# Altium PCB ProbadorDeCables.PcbDoc
Units mil, origin at the board's own origin, x right, y up, seen from the top; angles counter-clockwise.
Board outline 6100 x 5500 mil, 2 copper layers (Top Layer, Bottom Layer); 81 components, 36 nets, 313 pads, 173 vias.
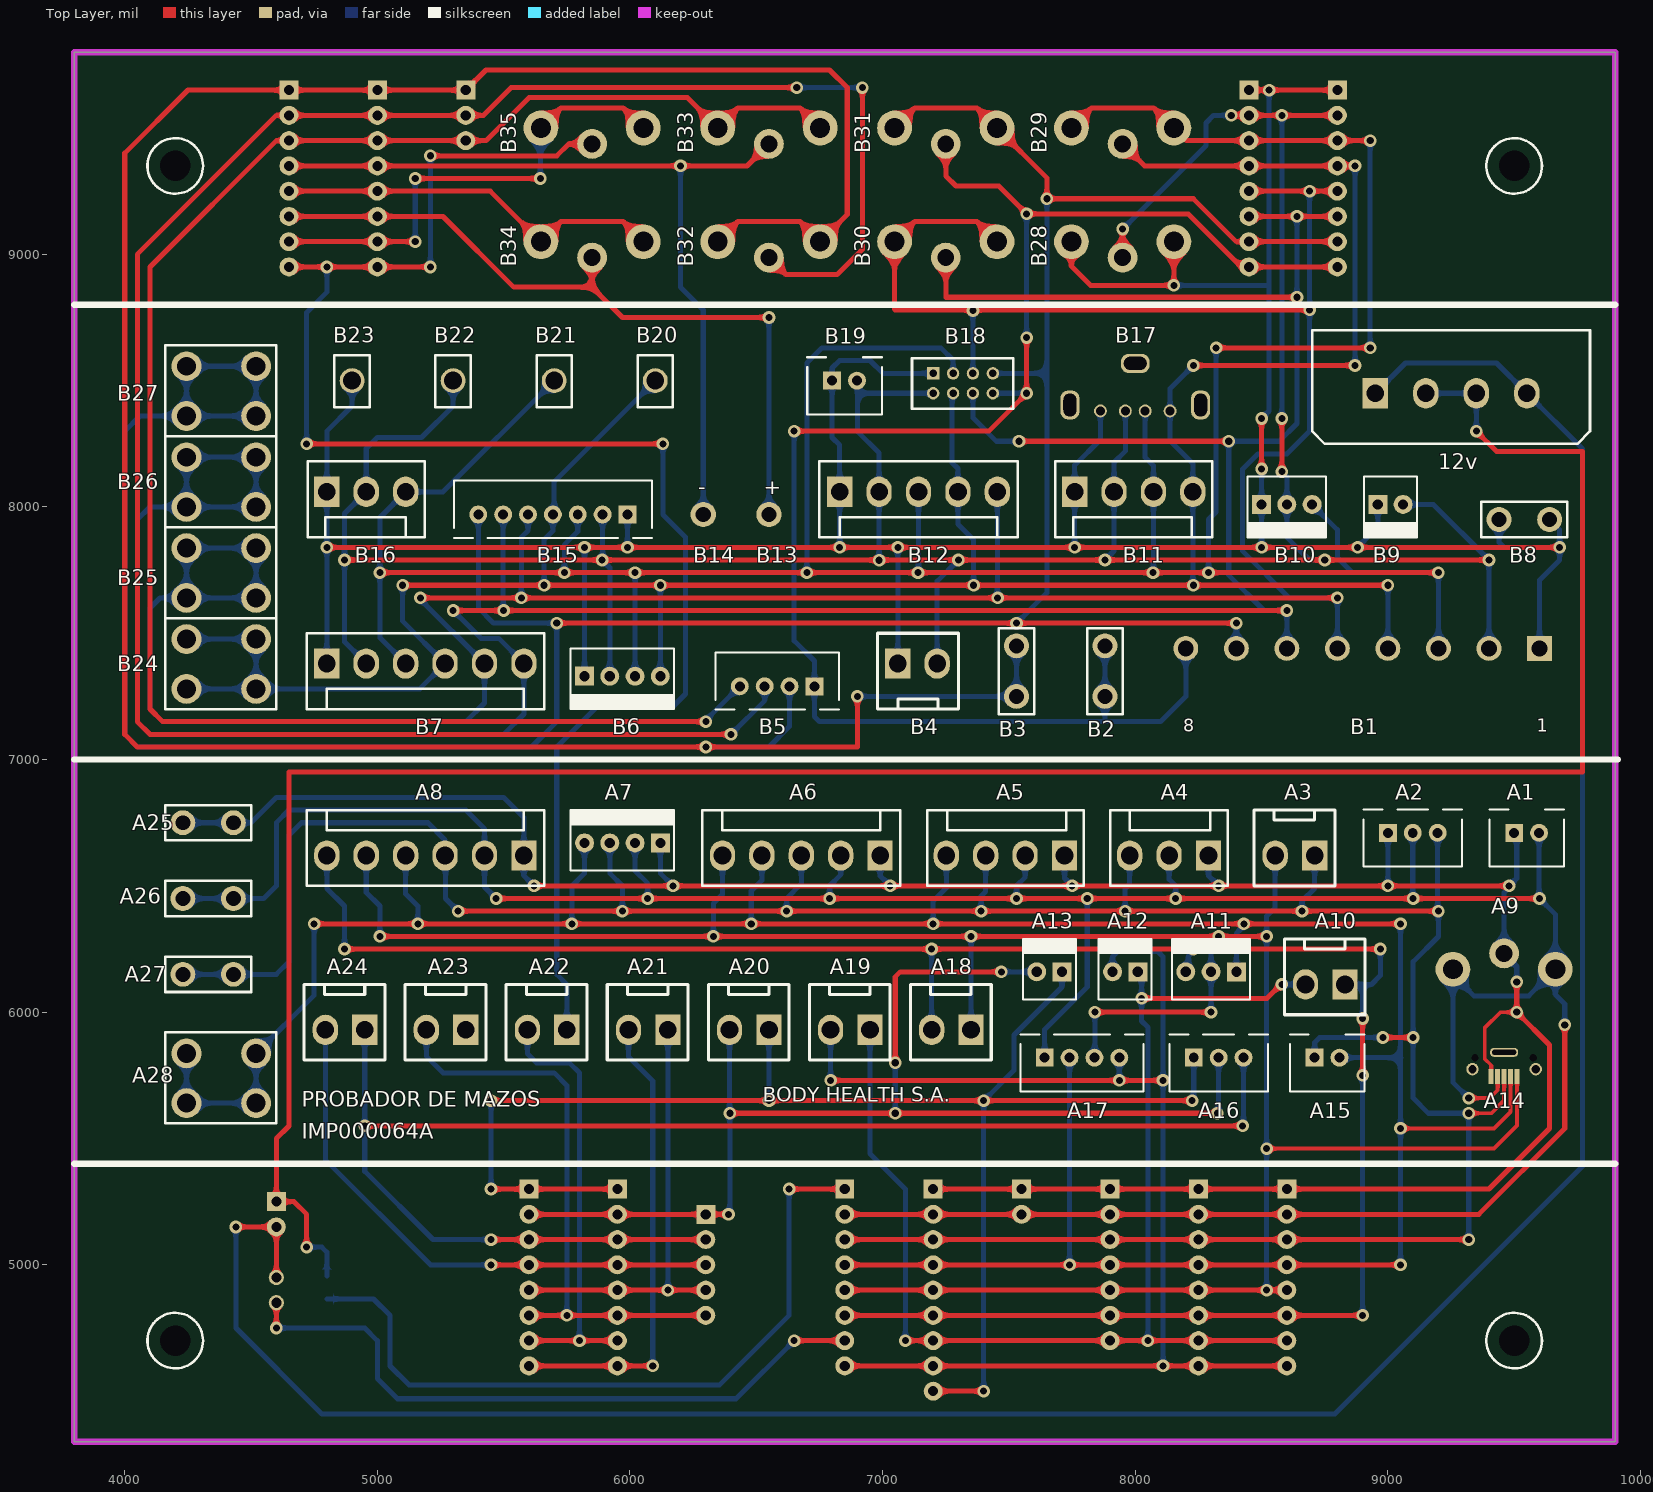
[diagram p0: Top Layer view]
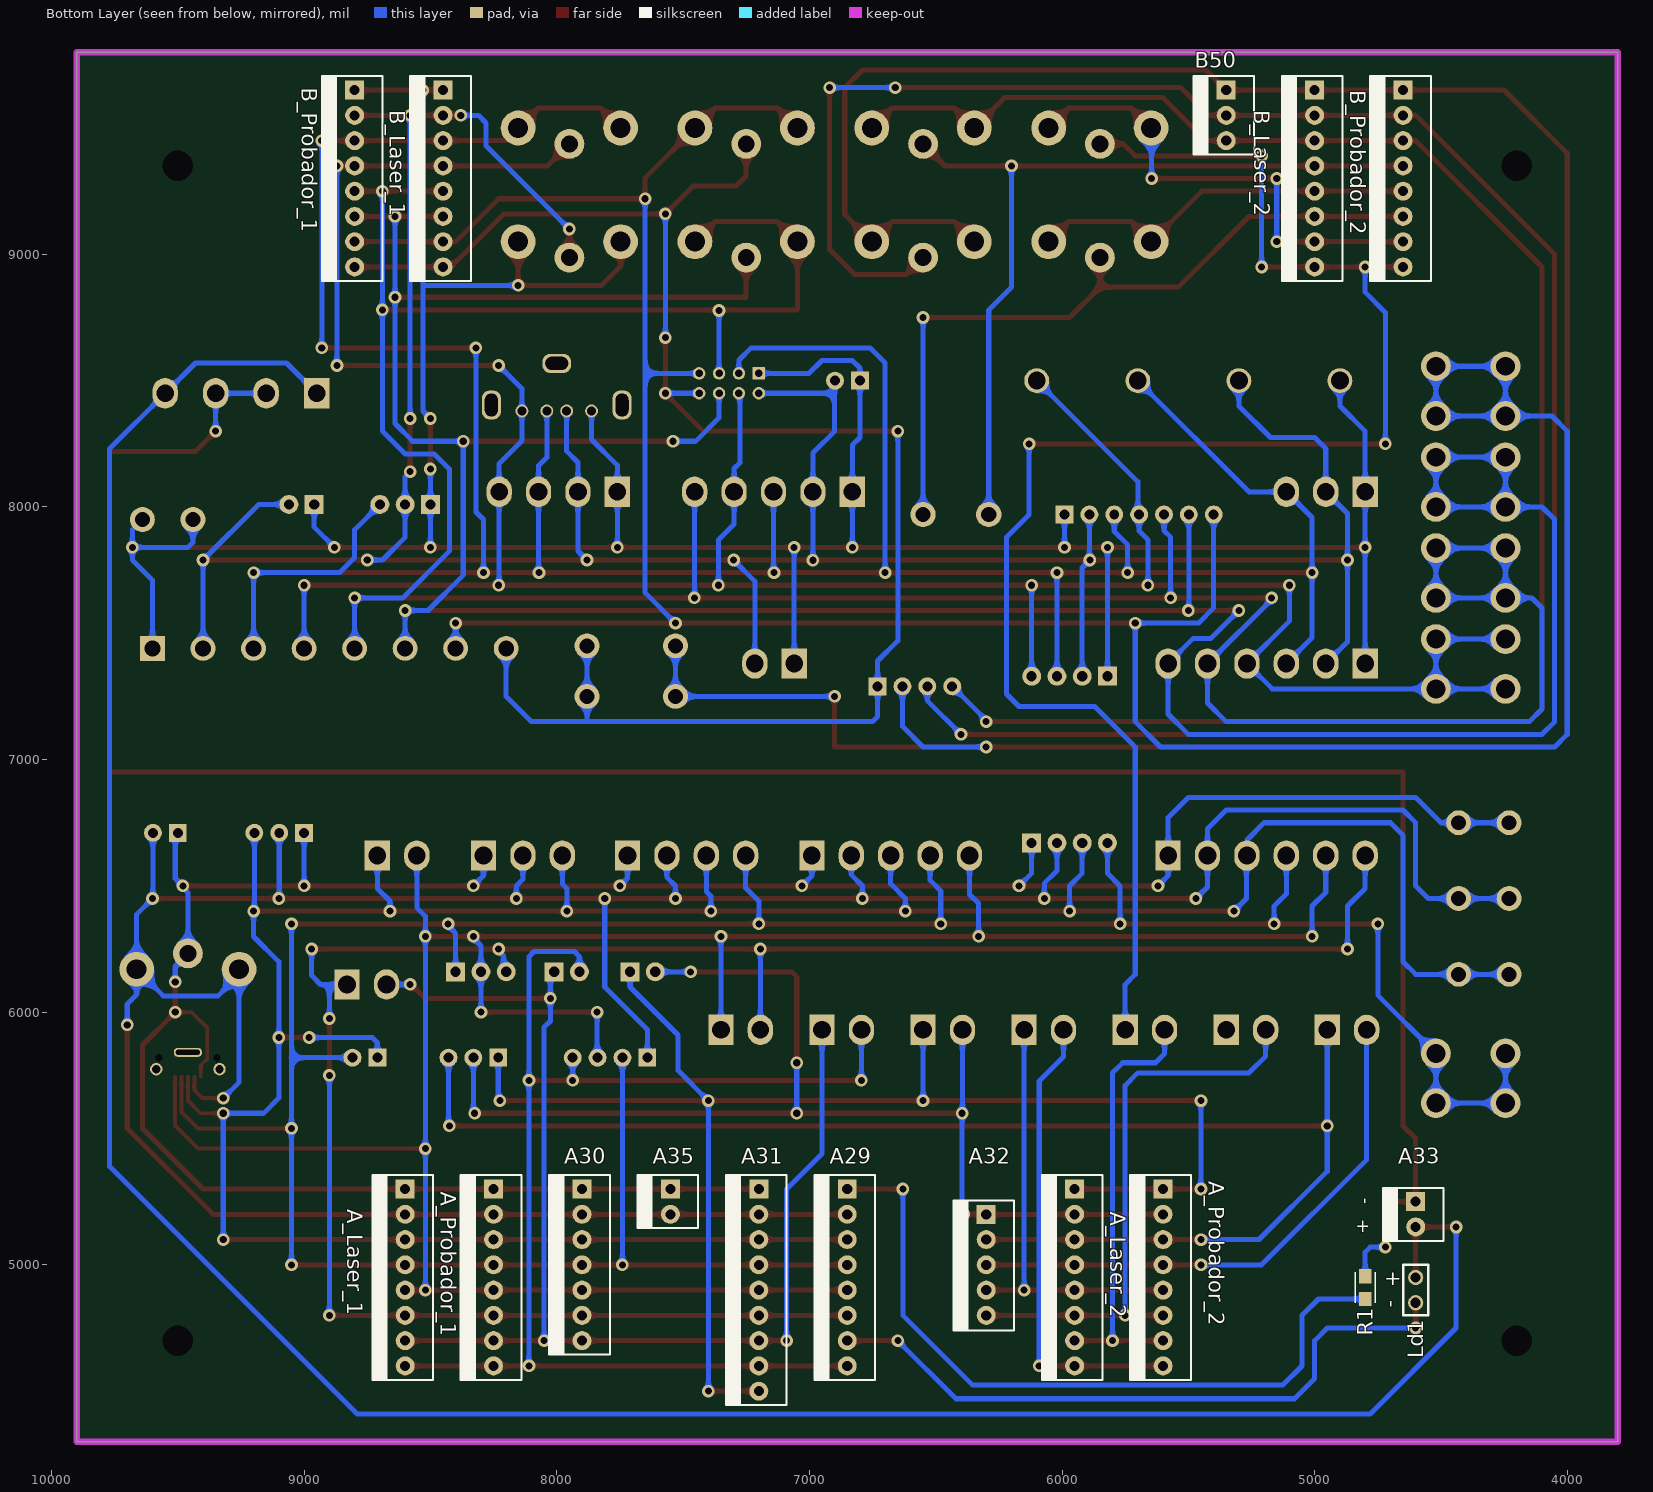
[diagram p1: Bottom Layer view, seen from below]
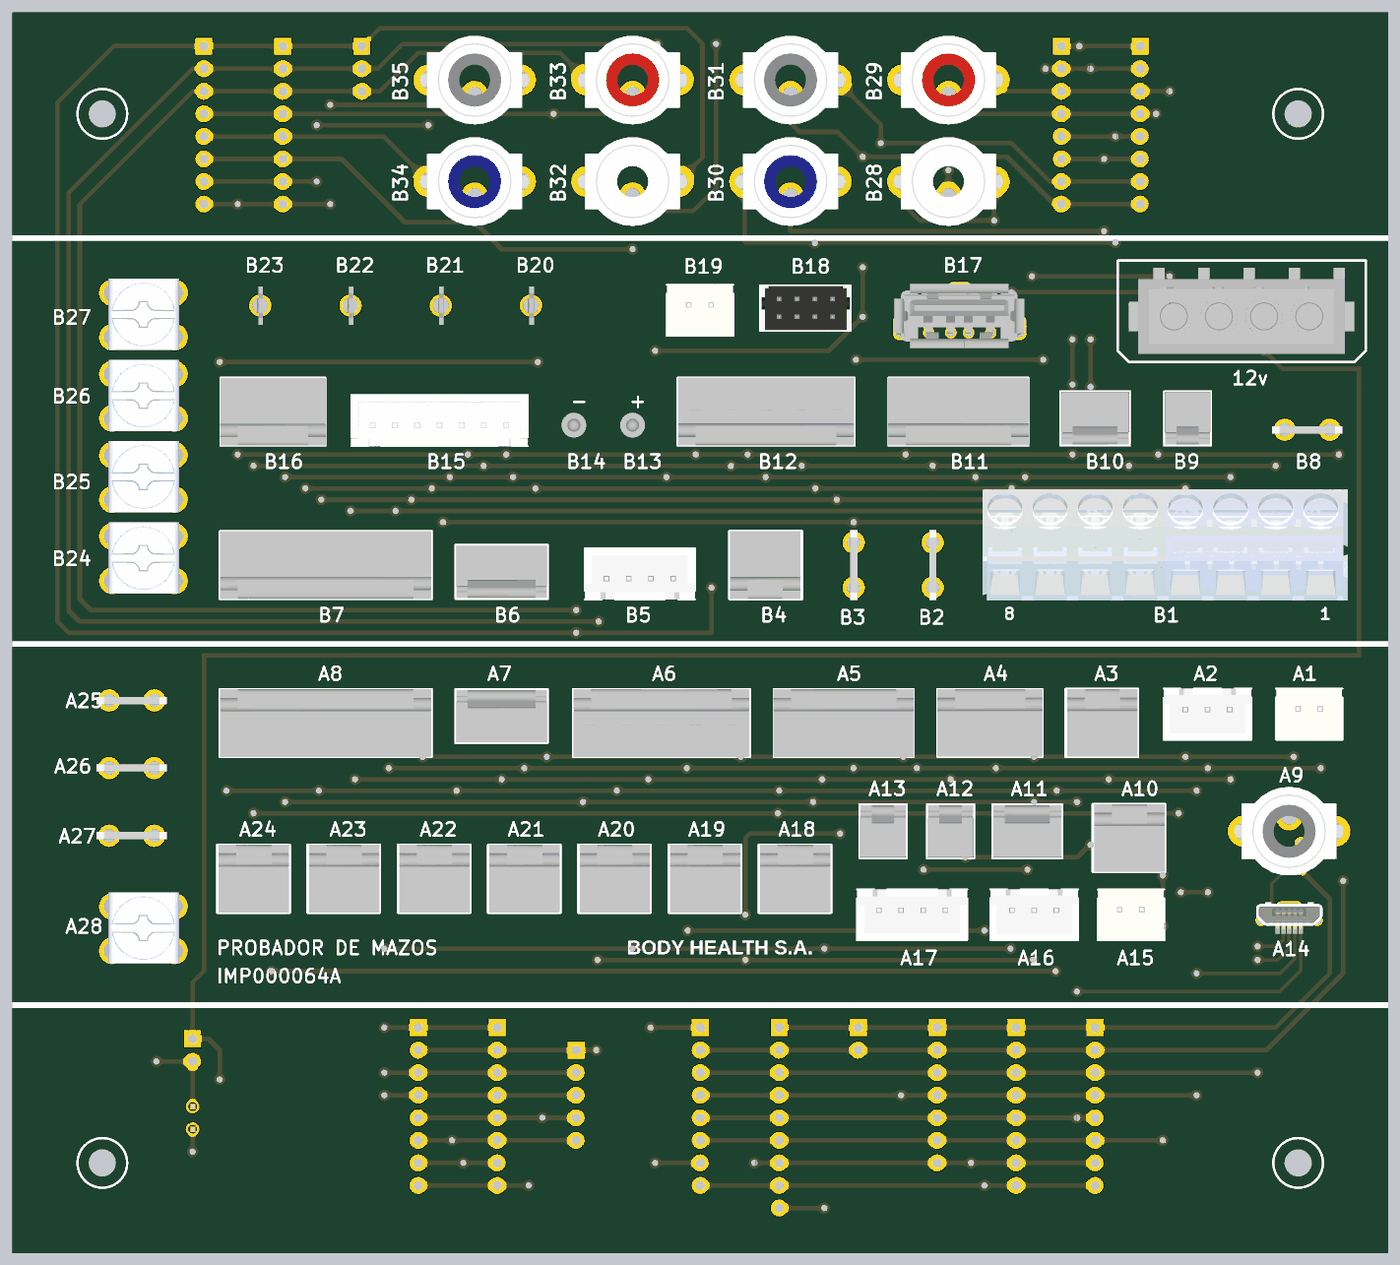
[diagram p2: 3D render of the assembled board from above, using the file's embedded part models]
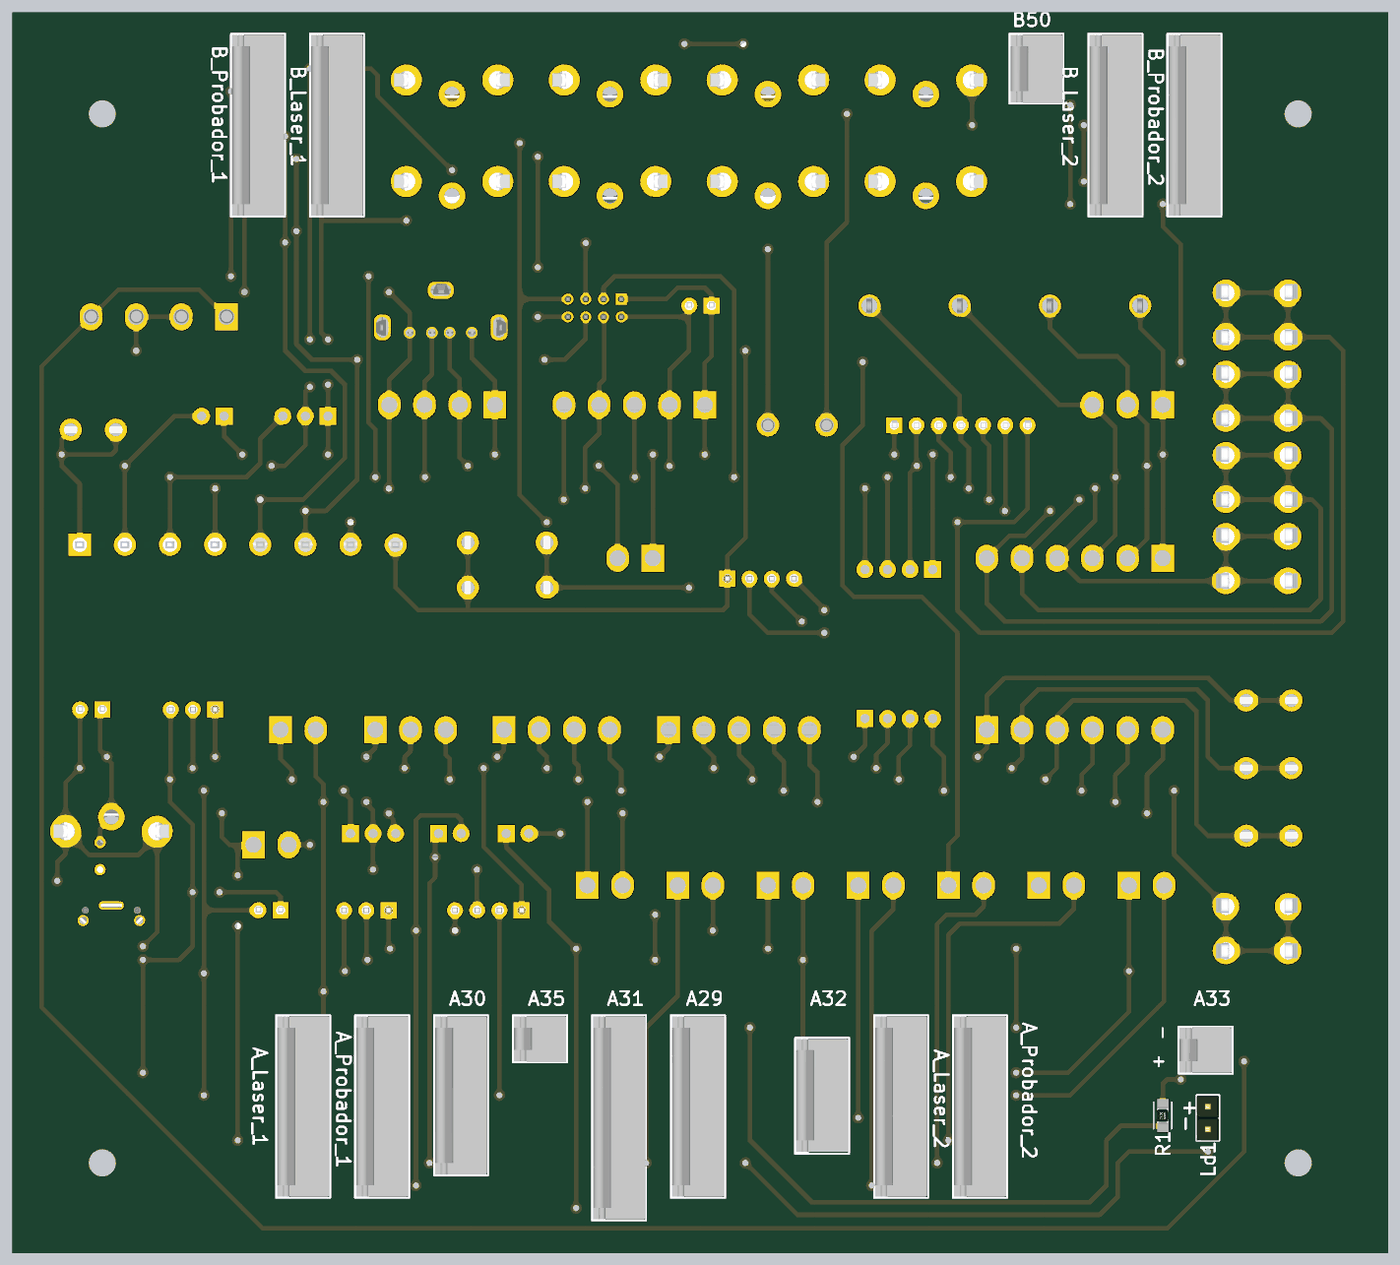
[diagram p3: 3D render of the assembled board from below, using the file's embedded part models]

## Layer stack, top to bottom
Top Solder: solder mask 0.4, Solder Resist, Dk 3.5
Top Layer: signal copper 1.4
Dielectric 1: dielectric 12.6, FR-4, Dk 4.8
Bottom Layer: signal copper 1.4
Bottom Solder: solder mask 0.4, Solder Resist, Dk 3.5

## Board outline
3800,4300 3800,9800 9900,9800 9900,4300

## Design rules (kind name [scope] priority, off if disabled: settings)
Clearance [All] p1: gap=5 ignorepadtopadclearanceinfootprint=FALSE except(0: Arc-Hole Track-Hole SMDPad-Hole THPad-Hole Via-Hole Fill-Hole Poly-Hole Region-Hole Text-Hole)
ComponentClearance [All] p1 off: gap=10 collisioncheckmode=3 verticalgap=10 showdistances=FALSE
Height [All] p1 off: minheight=0 maxheight=1000 prefheight=500
HoleSize [All] p1: absolutevalues=TRUE maxlimit=150 minlimit=1 maxpercent=80.000 minpercent=20.000
MinimumSolderMaskSliver [All] p1 off: minsoldermaskwidth=10
PolygonConnect [All] p1: connectstyle=Relief reliefconductorwidth=10 reliefentries=4 polygonreliefangle="90 Angle" airgapwidth=10
RoomDefinition ProbadorDeCables_Accesorios_B_RJ11 [InComponentClass('ProbadorDeCables_Accesorios_B_RJ11')] p1 off: confinementstyle=ConfineIn formatcopy=TRUE lockcomponents=FALSE outline 0,0 2000,0 2000,1000 0,1000
RoomDefinition ProbadorDeCables_Accesorios_B_RCA [InComponentClass('ProbadorDeCables_Accesorios_B_RCA')] p2 off: confinementstyle=ConfineIn formatcopy=TRUE lockcomponents=FALSE outline 15275,7850 16550,7850 16550,10250 15275,10250
RoomDefinition ProbadorDeCables_Accesorios_B_Interlock [InComponentClass('ProbadorDeCables_Accesorios_B_Interlock')] p3 off: confinementstyle=ConfineIn formatcopy=TRUE lockcomponents=FALSE outline 14225,8200 17700,8200 17700,10300 14225,10300
RoomDefinition ProbadorDeCables_Accesorios_A_SZCNT_8 [InComponentClass('ProbadorDeCables_Accesorios_A_SZCNT_8')] p4 off: confinementstyle=ConfineIn formatcopy=TRUE lockcomponents=FALSE outline 13650,8750 19450,8750 19450,9700 13650,9700
RoomDefinition ProbadorDeCables_Accesorios_A_SZCNT_7 [InComponentClass('ProbadorDeCables_Accesorios_A_SZCNT_7')] p5 off: confinementstyle=ConfineIn formatcopy=TRUE lockcomponents=FALSE outline 13150,8850 19150,8850 19150,9725 13150,9725
RoomDefinition ProbadorDeCables_Accesorios_A_SZCNT_2 [InComponentClass('ProbadorDeCables_Accesorios_A_SZCNT_2')] p6 off: confinementstyle=ConfineIn formatcopy=TRUE lockcomponents=FALSE outline 15300,8900 18050,8900 18050,9775 15300,9775
RoomDefinition ProbadorDeCables_Accesorios_A_RCA [InComponentClass('ProbadorDeCables_Accesorios_A_RCA')] p7 off: confinementstyle=ConfineIn formatcopy=TRUE lockcomponents=FALSE outline 15725,8250 17000,8250 17000,10650 15725,10650
RoomDefinition ProbadorDeCables_Accesorios_A_CPC14 [InComponentClass('ProbadorDeCables_Accesorios_A_CPC14')] p8 off: confinementstyle=ConfineIn formatcopy=TRUE lockcomponents=FALSE outline 2700,-250 2700,14700 1650,14700 1650,-250
RoomDefinition ProbadorDeCables_Accesorios_B_SZCNT_8 [InComponentClass('ProbadorDeCables_Accesorios_B_SZCNT_8')] p9 off: confinementstyle=ConfineIn formatcopy=TRUE lockcomponents=FALSE outline 3900,2150 5900,2150 5900,3150 3900,3150
RoomDefinition ProbadorDeCables_Accesorios_B_SZCNT_7 [InComponentClass('ProbadorDeCables_Accesorios_B_SZCNT_7')] p10 off: confinementstyle=ConfineIn formatcopy=TRUE lockcomponents=FALSE outline 3900,2150 5900,2150 5900,3150 3900,3150
RoomDefinition ProbadorDeCables_Accesorios_B_SZCNT_2 [InComponentClass('ProbadorDeCables_Accesorios_B_SZCNT_2')] p11 off: confinementstyle=ConfineIn formatcopy=TRUE lockcomponents=FALSE outline 3900,2150 5900,2150 5900,3150 3900,3150
RoomDefinition ProbadorDeCables_Accesorios_B_MolexDe6 [InComponentClass('ProbadorDeCables_Accesorios_B_MolexDe6')] p12 off: confinementstyle=ConfineIn formatcopy=TRUE lockcomponents=FALSE outline 3900,2150 5900,2150 5900,3150 3900,3150
RoomDefinition ProbadorDeCables_Accesorios_B_CST100_Bomba [InComponentClass('ProbadorDeCables_Accesorios_B_CST100_Bomba')] p13 off: confinementstyle=ConfineIn formatcopy=TRUE lockcomponents=FALSE outline 3900,2150 5900,2150 5900,3150 3900,3150
RoomDefinition ProbadorDeCables_Accesorios_B_CPC14 [InComponentClass('ProbadorDeCables_Accesorios_B_CPC14')] p14 off: confinementstyle=ConfineIn formatcopy=TRUE lockcomponents=FALSE outline 3900,2150 5900,2150 5900,3150 3900,3150
RoomDefinition ProbadorDeCables_Accesorios_A [InComponentClass('ProbadorDeCables_Accesorios_A')] p15 off: confinementstyle=ConfineIn formatcopy=TRUE lockcomponents=FALSE outline 3900,2100 5900,2100 5900,3100 3900,3100
RoomDefinition ProbadorDeCables_Conexiones_B [InComponentClass('ProbadorDeCables_Conexiones_B')] p16 off: confinementstyle=ConfineIn formatcopy=TRUE lockcomponents=FALSE outline 2850,3800 2850,12110 1120,12110 1120,3800
RoomDefinition ProbadorDeCables_Conexiones_A [InComponentClass('ProbadorDeCables_Conexiones_A')] p17 off: confinementstyle=ConfineIn formatcopy=TRUE lockcomponents=FALSE outline 2550,1650 2550,11850 1490,11850 1490,1650
RoutingVias [All] p1: holewidth=25 width=40 viastyle="Through Hole" minholewidth=28 minwidth=50 maxholewidth=28 maxwidth=50
SilkToBoardRegionClearance [All] p1 off:
SilkToSilkClearance [All] p1 off: silktosilkclearance=10
SilkToSolderMaskClearance [IsPad] p1 off: minsilkscreentomaskgap=10 clearancetoexposedcopper=TRUE
SolderMaskExpansion [All] p1: expansion=4 istentingtop=FALSE
Width [All] p1: maxlimit=20 minlimit=15 preferedwidth=20
23 further rules are at their usual default settings.

## Classes and differential pairs
component class ProbadorDeCables_Conexiones_B: B1 B2 B3 B4 B5 B6 B7 B8 B9 B10 B11 B12 B13 B14 B15 B16 B17 B18 B19 B20 B21 B22 B23 B24 B25 B26 B27 B28 B29 B30 B31 B32 B33 B34 B35 B50 B_Laser_1 B_Laser_2 B_Probador_1 B_Probador_2
component class ProbadorDeCables_Conexiones_A: 12v A1 A2 A3 A4 A5 A6 A7 A8 A9 A10 A11 A12 A13 A14 A15 A16 A17 A18 A19 A20 A21 A22 A23 A24 A25 A26 A27 A28 A29 A30 A31 A32 A33 A35 A_Laser_1 A_Laser_2 A_Probador_1 A_Probador_2 Ld1 R1
component class ProbadorDeCables_Accesorios_A_CPC14: BOM_A1 BOM_A2 BOM_A3 BOM_A4 BOM_A5 BOM_A6
component class ProbadorDeCables_Accesorios_B_CPC14: BOM_B4 BOM_B5 BOM_B6 BOM_B7 BOM_B8 BOM_B9 BOM_B10 BOM_B11 BOM_B12 BOM_B13

## Components (designator, comment, footprint, x,y, rotation, side; value= is the part's Value field where it differs from the comment)
12v "MAZ 103 y 104" 794285-1 8950,8450 r0 top
A1 "JST_2.5_2" B2B-XH-A 9500,6710 r0 top
A2 "JST_2.5_3" B3B-XH-A 9000,6710 r0 top
A3 "Para_SL-156__640445-2" 640445-2 8710,6620 r180 top
A4 "Para_SL-156__640445-3" 640445-3 8290,6620 r180 top
A5 "Para_SL-156__640445-4" 640445-4 7720,6620 r180 top
A6 "Para_SL-156__640445-5" 640445-5 6990,6620 r180 top
A7 "Para_CST_100__640456-4" 640456-4 6120,6670 r180 top
A8 "Para_SL-156__640445-6" 640445-6 5580,6620 r180 top
A9 "RCA mono para placa - Negro" RCJ-021 9460,6170 r0 top
A10 "Para_SL-156__640445-2" 640445-2 8830,6110 r180 top
A11 "Para_CST_100__640456-3" 640456-3 8400,6160 r180 top
A12 "Para_CST_100__640456-2" 640456-2 8010,6160 r180 top
A13 "Para_CST_100__640456-2" 640456-2 7710,6160 r180 top
A14 "USB 2_0 micro B" USB2.0_MicroB 9460,5800 r0 top
A15 "JST_2.5_2" B2B-XH-A 8710,5820 r0 top
A16 "JST_2.5_3" B3B-XH-A 8231.57,5820 r0 top
A17 "JST_2.5_4" B4B-XH-A 7641.57,5820 r0 top
A18 "Para_SL-156__640445-2" 640445-2 7350,5930 r180 top
A19 "Para_SL-156__640445-2" 640445-2 6950,5930 r180 top
A20 "Para_SL-156__640445-2" 640445-2 6550,5930 r180 top
A21 "Para_SL-156__640445-2" 640445-2 6150,5930 r180 top
A22 "Para_SL-156__640445-2" 640445-2 5750,5930 r180 top
A23 "Para_SL-156__640445-2" 640445-2 5350,5930 r180 top
A24 "Para_SL-156__640445-2" 640445-2 4950,5930 r180 top
A25 "Pala macho 6.3 para placa" "PALA MACHO 6.3 PARA PLACA" 4330,6750 r90 top
A26 "Pala macho 6.3 para placa" "PALA MACHO 6.3 PARA PLACA" 4330,6450 r270 top
A27 "Pala macho 6.3 para placa" "PALA MACHO 6.3 PARA PLACA" 4330,6150 r270 top
A28 "SCREW M4 4 PIN PCB" "SCREW M4 4 PIN PCB" 4520,5640 r90 top
A29 "SZCNT de 8 vías con corto" 640456-8 6850,5300 r270 bottom
A30 "SZCNT de 7 vías" 640456-7 7900,5300 r270 bottom
A31 "CPC 14 por cable - A" 640456-9 7200,5300 r270 bottom
A32 "CPC 14 por cable - B" 640456-5 6300,5200 r270 bottom
A33 "VCC" 640456-2 4600,5250 r270 bottom
A35 "SZCNT de 2 vías" 640456-2 7550,5300 r270 bottom
A_Laser_1 "ProbadorA_1-8" 640456-8 8600,5300 r270 bottom
A_Laser_2 "ProbadorA_9-16" 640456-8 5950,5300 r270 bottom
A_Probador_1 "LaserA_1-8" 640456-8 8250,5300 r270 bottom
A_Probador_2 "LaserA_9-16" 640456-8 5600,5300 r270 bottom
B1 "Bornera con tornillos 8 vías" "BORNERA CON TORNILLOS 8 VíAS" 9600,7440 r180 top
B2 "Pala macho 4.8 para placa" "Pala macho 4.8 para placa" 7880,7350 r180 top
B3 "Pala macho 4.8 para placa" "Pala macho 4.8 para placa" 7530,7350 r180 top
B4 "Para_SL-156__640445-2" 640445-2 7060,7380 r0 top
B5 "JST_2.5_4" B4B-XH-A 6730,7290 r180 top
B6 "Para_CST_100__640456-4" 640456-4 5820,7330 r0 top
B7 "Para_SL-156__640445-6" 640445-6 4800,7380 r0 top
B8 "Pala macho 6.3 para placa" "PALA MACHO 6.3 PARA PLACA" 9540,7950 r90 top
B9 "Para_CST_100__640456-2" 640456-2 8960,8010 r0 top
B10 "Para_CST_100__640456-3" 640456-3 8500,8010 r0 top
B11 "Para_SL-156__640445-4" 640445-4 7760,8060 r0 top
B12 "Para_SL-156__640445-5" 640445-5 6830,8060 r0 top
B13 "+" "PIN MACHO PARA CRIO" 6550,7970 r180 top
B14 "-" "PIN MACHO PARA CRIO" 6290,7970 r180 top
B15 "JST_2.5_7" B7B-XH-A 5990,7970 r180 top
B16 "Para_SL-156__640445-3" 640445-3 4800,8060 r0 top
B17 "USB 2_0 A" USB2.0_A 8000,8380 r0 top
B18 "Fuente MSP-300-15" DF11-8DP-2DSA(01) 7436.22,8528.74 r180 top
B19 "JST_2.5_2" B2B-XH-A 6800,8500 r0 top
B20 "Pala macho 2.7 para placa" "PALA MACHO 2.7 PARA PLACA" 6100,8500 r0 top
B21 "Pala macho 2.7 para placa" "PALA MACHO 2.7 PARA PLACA" 5700,8500 r0 top
B22 "Pala macho 2.7 para placa" "PALA MACHO 2.7 PARA PLACA" 5300,8500 r0 top
B23 "Pala macho 2.7 para placa" "PALA MACHO 2.7 PARA PLACA" 4900,8500 r0 top
B24 "Tornillo M4 para placa" "SCREW M4 4 PIN PCB" 4520,7280 r90 top
B25 "Tornillo M4 para placa" "SCREW M4 4 PIN PCB" 4520,7640 r90 top
B26 "Tornillo M4 para placa" "SCREW M4 4 PIN PCB" 4520,8000 r90 top
B27 "Tornillo M4 para placa" "SCREW M4 4 PIN PCB" 4520,8360 r90 top